# KiCad board pcb-hotswap.kicad_pcb
title: Synth Labs 060 Hotswap RGB PCB; date: 2021-09-10; rev: 1.0; company: 0xCB; note: Conor Burns
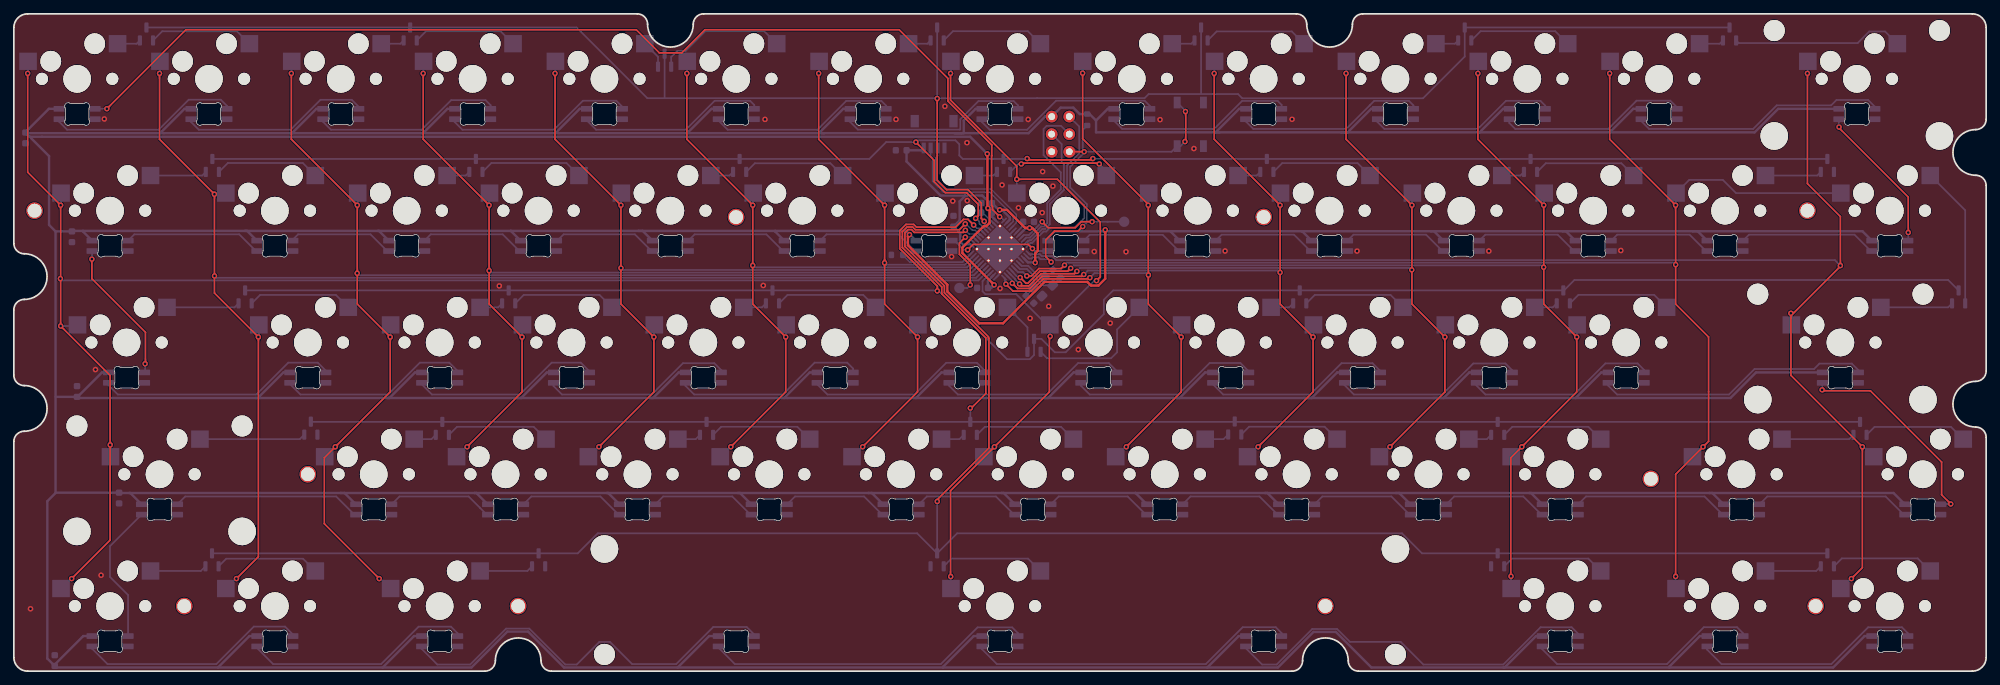
[diagram p0: board, top side]
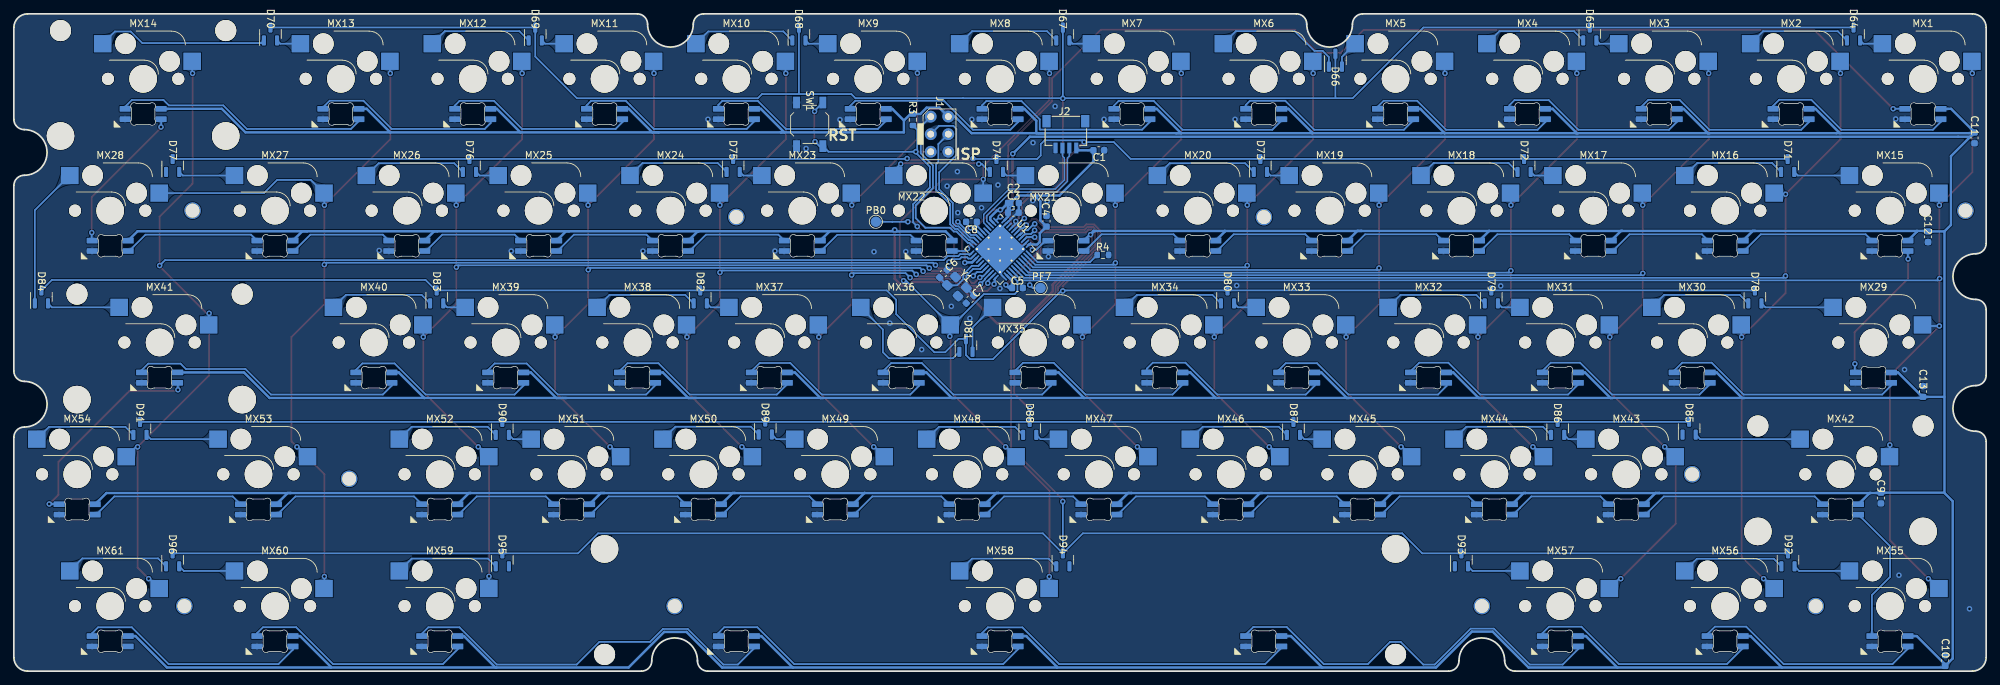
[diagram p1: board, bottom side, seen from below]

Outline 285 x 95 mm; copper layers: Top, Bottom. Coordinates in mm from the lower left corner of the outline.
Outline path: 0,93 0,61.83 arc(0.44,60.76) 1.5,60.33 arc(4.8,57.03) 1.5,53.73 arc(0.44,53.29) 0,52.23 0,42.78 arc(0.44,41.71) 1.5,41.28 arc(4.8,37.97) 1.5,34.68 arc(0.44,34.24) 0,33.18 0,2 arc(0.59,0.59) 2,0 68.08,0 arc(69.14,0.44) 69.58,1.5 arc(72.88,4.8) 76.18,1.5 arc(76.62,0.44) 77.68,0 184.72,0 arc(185.78,0.44) 186.22,1.5 arc(189.52,4.8) 192.82,1.5 arc(193.26,0.44) 194.32,0 283,0 arc(284.41,0.59) 285,2 285,33.78 arc(284.56,34.84) 283.5,35.28 arc(280.2,38.58) 283.5,41.88 arc(284.56,42.32) 285,43.38 285,70.17 arc(284.56,71.23) 283.5,71.67 arc(280.2,74.97) 283.5,78.27 arc(284.56,78.71) 285,79.77 285,93 arc(284.41,94.41) 283,95 194.93,95 arc(193.86,94.56) 193.43,93.5 arc(190.12,90.2) 186.82,93.5 arc(186.39,94.56) 185.32,95 99.67,95 arc(98.61,94.56) 98.17,93.5 arc(94.88,90.2) 91.58,93.5 arc(91.14,94.56) 90.08,95 2,95 arc(0.59,94.41) 0,93
Stack: Top 0.035mm / dielectric 1.51mm FR4 er 4.5 / Bottom 0.035mm

## Placement (name value [footprint] x y rotation side)
C1  1u  [C_0603_1608Metric]  128.22 75.28 0 bottom
C2  100n  [C_0603_1608Metric]  140.56 67.66 0 bottom
C3  100n  [C_0603_1608Metric]  140.57 66.27 0 bottom
C4  100n  [C_0603_1608Metric]  135.78 65.03 270 bottom
C5  100n  [C_0603_1608Metric]  139.98 55.38 0 bottom
C6  22p  [C_0603_1608Metric]  150.69 57.45 315 bottom
C7  22p  [C_0603_1608Metric]  146.83 53.73 135 bottom
C8  1u  [C_0603_1608Metric]  146.63 64.94 180 bottom
C9  100n  [C_0603_1608Metric]  15.21 25.02 270 bottom
C10  100n  [C_0603_1608Metric]  5.91 1.53 90 bottom
C11  100n  [C_0603_1608Metric]  1.68 77.07 270 bottom
C12  100n  [C_0603_1608Metric]  8.4 62.78 270 bottom
C13  100n  [C_0603_1608Metric]  9.13 40.42 90 bottom
D1  SK6812MINI-E  [MX_SK6812MINI-E]  9.14 85.6 0 top
D2  SK6812MINI-E  [MX_SK6812MINI-E]  28.19 85.6 0 top
D3  SK6812MINI-E  [MX_SK6812MINI-E]  47.24 85.6 0 top
D4  SK6812MINI-E  [MX_SK6812MINI-E]  66.29 85.6 0 top
D5  SK6812MINI-E  [MX_SK6812MINI-E]  85.34 85.6 0 top
D6  SK6812MINI-E  [MX_SK6812MINI-E]  104.39 85.6 0 top
D7  SK6812MINI-E  [MX_SK6812MINI-E]  123.44 85.6 0 top
D8  SK6812MINI-E  [MX_SK6812MINI-E]  142.49 85.6 0 top
D9  SK6812MINI-E  [MX_SK6812MINI-E]  161.54 85.6 0 top
D10  SK6812MINI-E  [MX_SK6812MINI-E]  180.59 85.6 0 top
D11  SK6812MINI-E  [MX_SK6812MINI-E]  199.64 85.6 0 top
D12  SK6812MINI-E  [MX_SK6812MINI-E]  218.69 85.6 0 top
D13  SK6812MINI-E  [MX_SK6812MINI-E]  237.74 85.6 0 top
D14  SK6812MINI-E  [MX_SK6812MINI-E]  266.32 85.6 0 top
D15  SK6812MINI-E  [MX_SK6812MINI-E]  13.91 66.55 0 top
D16  SK6812MINI-E  [MX_SK6812MINI-E]  37.72 66.55 0 top
D17  SK6812MINI-E  [MX_SK6812MINI-E]  56.77 66.55 0 top
D18  SK6812MINI-E  [MX_SK6812MINI-E]  75.82 66.55 0 top
D19  SK6812MINI-E  [MX_SK6812MINI-E]  94.87 66.55 0 top
D20  SK6812MINI-E  [MX_SK6812MINI-E]  113.92 66.55 0 top
D21  SK6812MINI-E  [MX_SK6812MINI-E]  132.97 66.55 0 top
D22  SK6812MINI-E  [MX_SK6812MINI-E]  152.02 66.55 0 top
D23  SK6812MINI-E  [MX_SK6812MINI-E]  171.07 66.55 0 top
D24  SK6812MINI-E  [MX_SK6812MINI-E]  190.12 66.55 0 top
D25  SK6812MINI-E  [MX_SK6812MINI-E]  209.17 66.55 0 top
D26  SK6812MINI-E  [MX_SK6812MINI-E]  228.22 66.55 0 top
D27  SK6812MINI-E  [MX_SK6812MINI-E]  247.27 66.55 0 top
D28  SK6812MINI-E  [MX_SK6812MINI-E]  271.08 66.55 0 top
D29  SK6812MINI-E  [MX_SK6812MINI-E]  16.29 47.5 0 top
D30  SK6812MINI-E  [MX_SK6812MINI-E]  42.48 47.5 0 top
D31  SK6812MINI-E  [MX_SK6812MINI-E]  61.53 47.5 0 top
D32  SK6812MINI-E  [MX_SK6812MINI-E]  80.58 47.5 0 top
D33  SK6812MINI-E  [MX_SK6812MINI-E]  99.63 47.5 0 top
D34  SK6812MINI-E  [MX_SK6812MINI-E]  118.68 47.5 0 top
D35  SK6812MINI-E  [MX_SK6812MINI-E]  137.73 47.5 0 top
D36  SK6812MINI-E  [MX_SK6812MINI-E]  156.78 47.5 0 top
D37  SK6812MINI-E  [MX_SK6812MINI-E]  175.83 47.5 0 top
D38  SK6812MINI-E  [MX_SK6812MINI-E]  194.88 47.5 0 top
D39  SK6812MINI-E  [MX_SK6812MINI-E]  213.93 47.5 0 top
D40  SK6812MINI-E  [MX_SK6812MINI-E]  232.98 47.5 0 top
D41  SK6812MINI-E  [MX_SK6812MINI-E]  263.94 47.5 0 top
D42  SK6812MINI-E  [MX_SK6812MINI-E]  21.05 28.45 0 top
D43  SK6812MINI-E  [MX_SK6812MINI-E]  52.01 28.45 0 top
D44  SK6812MINI-E  [MX_SK6812MINI-E]  71.06 28.45 0 top
D45  SK6812MINI-E  [MX_SK6812MINI-E]  90.11 28.45 0 top
D46  SK6812MINI-E  [MX_SK6812MINI-E]  109.16 28.45 0 top
D47  SK6812MINI-E  [MX_SK6812MINI-E]  128.21 28.45 0 top
D48  SK6812MINI-E  [MX_SK6812MINI-E]  147.26 28.45 0 top
D49  SK6812MINI-E  [MX_SK6812MINI-E]  166.31 28.45 0 top
D50  SK6812MINI-E  [MX_SK6812MINI-E]  185.36 28.45 0 top
D51  SK6812MINI-E  [MX_SK6812MINI-E]  204.41 28.45 0 top
D52  SK6812MINI-E  [MX_SK6812MINI-E]  223.46 28.45 0 top
D53  SK6812MINI-E  [MX_SK6812MINI-E]  249.65 28.45 0 top
D54  SK6812MINI-E  [MX_SK6812MINI-E]  275.84 28.45 0 top
D55  SK6812MINI-E  [MX_SK6812MINI-E]  13.91 9.4 0 top
D56  SK6812MINI-E  [MX_SK6812MINI-E]  37.72 9.4 0 top
D57  SK6812MINI-E  [MX_SK6812MINI-E]  61.53 9.4 0 top
D58  SK6812MINI-E  [MX_SK6812MINI-E]  104.39 9.4 0 top
D59  SK6812MINI-E  [MX_SK6812MINI-E]  142.49 9.4 0 top
D60  SK6812MINI-E  [MX_SK6812MINI-E]  180.59 9.4 0 top
D61  SK6812MINI-E  [MX_SK6812MINI-E]  223.46 9.4 0 top
D62  SK6812MINI-E  [MX_SK6812MINI-E]  247.27 9.4 0 top
D63  SK6812MINI-E  [MX_SK6812MINI-E]  271.08 9.4 0 top
D64  BAV70  [SOT-23]  19.16 92.09 90 bottom
D65  BAV70  [SOT-23]  57.27 92.09 90 bottom
D66  BAV70  [SOT-23]  94.03 88.3 90 bottom
D67  BAV70  [SOT-23]  133.42 92.09 90 bottom
D68  BAV70  [SOT-23]  171.56 92.09 90 bottom
D69  BAV70  [SOT-23]  209.65 92.09 90 bottom
D70  BAV70  [SOT-23]  247.92 92.09 90 bottom
D71  BAV70  [SOT-23]  28.68 73.09 90 bottom
D72  BAV70  [SOT-23]  66.77 73.09 90 bottom
D73  BAV70  [SOT-23]  104.88 73.09 90 bottom
D74  BAV70  [SOT-23]  143.01 73.09 90 bottom
D75  BAV70  [SOT-23]  181.06 73.09 90 bottom
D76  BAV70  [SOT-23]  219.16 73.09 90 bottom
D77  BAV70  [SOT-23]  262.05 73.09 90 bottom
D78  BAV70  [SOT-23]  33.42 54.09 90 bottom
D79  BAV70  [SOT-23]  71.5 54.09 90 bottom
D80  BAV70  [SOT-23]  109.62 54.09 90 bottom
D81  BAV70  [SOT-23]  147.42 47.09 90 bottom
D82  BAV70  [SOT-23]  185.81 54.09 90 bottom
D83  BAV70  [SOT-23]  223.9 54.09 90 bottom
D84  BAV70  [SOT-23]  281.02 54.09 90 bottom
D85  BAV70  [SOT-23]  42.92 35.12 90 bottom
D86  BAV70  [SOT-23]  61.92 35.09 90 bottom
D87  BAV70  [SOT-23]  100.1 35.09 90 bottom
D88  BAV70  [SOT-23]  138.21 35.09 90 bottom
D89  BAV70  [SOT-23]  176.42 35.14 90 bottom
D90  BAV70  [SOT-23]  214.42 35.09 90 bottom
D91  BAV70  [SOT-23]  266.77 35.09 90 bottom
D92  BAV70  [SOT-23]  28.64 16.09 90 bottom
D93  BAV70  [SOT-23]  75.83 16.09 90 bottom
D94  BAV70  [SOT-23]  133.42 16.09 90 bottom
D95  BAV70  [SOT-23]  214.41 16.09 90 bottom
D96  BAV70  [SOT-23]  262.06 16.09 90 bottom
G***  LOGO  [oshw]  180.61 9.34 0 top
G***#2  Synth Labs  [SL]  98.51 9.37 0 top
G***#3  -  [0xCB]  156.88 9.32 0 top
G***#4  LOGO  [oshwa]  194.84 9.33 0 top
J1  AVR-ISP-6  [AVR_PROG_2.54_THT]  151.24 77.61 270 bottom
J2  Conn_01x04  [JST-SR-4]  132.98 80.39 0 bottom
MX1  MX  [SW_Hotswap_Kailh_1.00u]  9.14 85.6 0 top
MX2  MX  [SW_Hotswap_Kailh_1.00u]  28.19 85.6 0 top
MX3  MX  [SW_Hotswap_Kailh_1.00u]  47.24 85.6 0 top
MX4  MX  [SW_Hotswap_Kailh_1.00u]  66.29 85.6 0 top
MX5  MX  [SW_Hotswap_Kailh_1.00u]  85.34 85.6 0 top
MX6  MX  [SW_Hotswap_Kailh_1.00u]  104.39 85.6 0 top
MX7  MX  [SW_Hotswap_Kailh_1.00u]  123.44 85.6 0 top
MX8  MX  [SW_Hotswap_Kailh_1.00u]  142.49 85.6 0 top
MX9  MX  [SW_Hotswap_Kailh_1.00u]  161.54 85.6 0 top
MX10  MX  [SW_Hotswap_Kailh_1.00u]  180.59 85.6 0 top
MX11  MX  [SW_Hotswap_Kailh_1.00u]  199.64 85.6 0 top
MX12  MX  [SW_Hotswap_Kailh_1.00u]  218.69 85.6 0 top
MX13  MX  [SW_Hotswap_Kailh_1.00u]  237.74 85.6 0 top
MX14  MX  [SW_Hotswap_Kailh_2.00u]  266.32 85.6 0 top
MX15  MX  [SW_Hotswap_Kailh_1.50u]  13.91 66.55 0 top
MX16  MX  [SW_Hotswap_Kailh_1.00u]  37.72 66.55 0 top
MX17  MX  [SW_Hotswap_Kailh_1.00u]  56.77 66.55 0 top
MX18  MX  [SW_Hotswap_Kailh_1.00u]  75.82 66.55 0 top
MX19  MX  [SW_Hotswap_Kailh_1.00u]  94.87 66.55 0 top
MX20  MX  [SW_Hotswap_Kailh_1.00u]  113.92 66.55 0 top
MX21  MX  [SW_Hotswap_Kailh_1.00u]  132.97 66.55 0 top
MX22  MX  [SW_Hotswap_Kailh_1.00u]  152.02 66.55 0 top
MX23  MX  [SW_Hotswap_Kailh_1.00u]  171.07 66.55 0 top
MX24  MX  [SW_Hotswap_Kailh_1.00u]  190.12 66.55 0 top
MX25  MX  [SW_Hotswap_Kailh_1.00u]  209.17 66.55 0 top
MX26  MX  [SW_Hotswap_Kailh_1.00u]  228.22 66.55 0 top
MX27  MX  [SW_Hotswap_Kailh_1.00u]  247.27 66.55 0 top
MX28  MX  [SW_Hotswap_Kailh_1.50u]  271.08 66.55 0 top
MX29  MX  [SW_Hotswap_Kailh_1.75u]  16.29 47.5 0 top
MX30  MX  [SW_Hotswap_Kailh_1.00u]  42.48 47.5 0 top
MX31  MX  [SW_Hotswap_Kailh_1.00u]  61.53 47.5 0 top
MX32  MX  [SW_Hotswap_Kailh_1.00u]  80.58 47.5 0 top
MX33  MX  [SW_Hotswap_Kailh_1.00u]  99.63 47.5 0 top
MX34  MX  [SW_Hotswap_Kailh_1.00u]  118.68 47.5 0 top
MX35  MX  [SW_Hotswap_Kailh_1.00u]  137.73 47.5 0 top
MX36  MX  [SW_Hotswap_Kailh_1.00u]  156.78 47.5 0 top
MX37  MX  [SW_Hotswap_Kailh_1.00u]  175.83 47.5 0 top
MX38  MX  [SW_Hotswap_Kailh_1.00u]  194.88 47.5 0 top
MX39  MX  [SW_Hotswap_Kailh_1.00u]  213.93 47.5 0 top
MX40  MX  [SW_Hotswap_Kailh_1.00u]  232.98 47.5 0 top
MX41  MX  [SW_Hotswap_Kailh_2.25u]  263.94 47.5 0 top
MX42  MX  [SW_Hotswap_Kailh_2.25u]  21.05 28.45 0 top
MX43  MX  [SW_Hotswap_Kailh_1.00u]  52.01 28.45 0 top
MX44  MX  [SW_Hotswap_Kailh_1.00u]  71.06 28.45 0 top
MX45  MX  [SW_Hotswap_Kailh_1.00u]  90.11 28.45 0 top
MX46  MX  [SW_Hotswap_Kailh_1.00u]  109.16 28.45 0 top
MX47  MX  [SW_Hotswap_Kailh_1.00u]  128.21 28.45 0 top
MX48  MX  [SW_Hotswap_Kailh_1.00u]  147.26 28.45 0 top
MX49  MX  [SW_Hotswap_Kailh_1.00u]  166.31 28.45 0 top
MX50  MX  [SW_Hotswap_Kailh_1.00u]  185.36 28.45 0 top
MX51  MX  [SW_Hotswap_Kailh_1.00u]  204.41 28.45 0 top
MX52  MX  [SW_Hotswap_Kailh_1.00u]  223.46 28.45 0 top
MX53  MX  [SW_Hotswap_Kailh_1.75u]  249.65 28.45 0 top
MX54  MX  [SW_Hotswap_Kailh_1.00u]  275.84 28.45 0 top
MX55  MX  [SW_Hotswap_Kailh_1.50u]  13.91 9.4 0 top
MX56  MX  [SW_Hotswap_Kailh_1.00u]  37.72 9.4 0 top
MX57  MX  [SW_Hotswap_Kailh_1.50u]  61.53 9.4 0 top
MX58  MX  [SW_Hotswap_Kailh_7.00u]  142.49 9.4 0 top
MX59  MX  [SW_Hotswap_Kailh_1.50u]  223.46 9.4 0 top
MX60  MX  [SW_Hotswap_Kailh_1.00u]  247.27 9.4 0 top
MX61  MX  [SW_Hotswap_Kailh_1.50u]  271.08 9.4 0 top
NOREF  -  [unnamed]  72.87 9.41 0 top
NOREF#2  -  [unnamed]  42.48 28.46 0 top
NOREF#3  -  [unnamed]  260.36 9.41 0 top
NOREF#4  -  [unnamed]  236.55 27.8 0 top
NOREF#5  -  [unnamed]  259.17 66.56 0 top
NOREF#6  -  [unnamed]  24.63 9.4 0 top
NOREF#7  -  [unnamed]  2.99 66.55 0 top
NOREF#8  -  [unnamed]  104.37 65.62 0 top
NOREF#9  -  [unnamed]  180.6 65.64 0 top
NOREF#10  -  [unnamed]  189.51 9.41 0 top
PB0  TestPoint  [TestPoint_Pad_D1.5mm]  160.44 64.95 180 bottom
PF7  TestPoint  [TestPoint_Pad_D1.5mm]  136.63 55.38 180 bottom
R3  10k  [R_0603_1608Metric]  155.09 79.69 90 bottom
R4  10k  [R_0603_1608Metric]  127.63 60.16 0 bottom
REF**  -  [Stabilizer_Cherry_MX_7u]  142.49 9.4 180 top
REF**#2  -  [Stabilizer_Cherry_MX_2u]  263.94 47.5 0 top
REF**#3  -  [Stabilizer_Cherry_MX_2u]  21.05 28.45 0 top
REF**#4  -  [Stabilizer_Cherry_MX_2u]  266.32 85.6 0 top
SW1  SW_Push  [SW_SPST_TL3342]  170 79.03 90 bottom
U1  ATMEGA32U4  [QFN-44-1EP_7x7mm_P0.5mm_EP5.2x5.2mm_ThermalVias]  142.49 61 225 bottom
Y1  16MHz  [Crystal_SMD_3225-4Pin_3.2x2.5mm]  148.74 55.59 225 bottom

## Library data of the parts
C1-C8 = -: Description: Unpolarized capacitor, small symbol
C9-C13 = -: Description: Unpolarized capacitor
D1-D63 = -: Description: SK6812MINI-E RGB LED; Field4: 1
D64-D96 = -: Description: Dual 100V 215mA high-speed switching diodes, common cathode, SOT-23
J1 = -: Description: Atmel 6-pin ISP connector
J2 = -: Description: Generic connector, single row, 01x04, script generated (kicad-library-utils/schlib/autogen/connector/)
PB0 PF7 = -: Description: test point
R3 R4 = -: Description: Resistor
REF** REF**#2-REF**#4 = -: Field4: REF**
SW1 = -: Description: Push button switch, generic, two pins
Y1 = -: Description: Four pin crystal, GND on pins 2 and 4, small symbol

## Footprints (pads in the part's own frame, mm; a bottom-side part is the same pattern mirrored in y, then rotated)
AVR_PROG_2.54_THT
  round 1.7 hole 1: 1(-2.54,-1.27) 2(-2.54,1.27) 3(0,-1.27) 4(0,1.27) 5(2.54,-1.27) 6(2.54,1.27)
C_0603_1608Metric
  rrect 0.9x0.95 smd: 1(-0.775,0) 2(0.775,0)
Crystal_SMD_3225-4Pin_3.2x2.5mm
  rrect 1.4x1.2 smd: 1(-1.1,-0.85) 2(1.1,-0.85) 3(1.1,0.85) 4(-1.1,0.85)
JST-SR-4
  rect 1.2x1.8 smd: (-2.8,0.9) (2.8,0.9)
  rect 0.6x1.55 smd: 1(-1.5,4.775) 2(-0.5,4.775) 3(0.5,4.775) 4(1.5,4.775)
MX_SK6812MINI-E
  rrect 1.6x0.82 smd far side: 1(-2.6,-4.33) 2(-2.6,-5.83) 3(2.6,-5.83) 4(2.6,-4.33)
QFN-44-1EP_7x7mm_P0.5mm_EP5.2x5.2mm_ThermalVias
  rrect 1.007x1.007 smd: (-1.762,-1.762) (-1.762,-0.588) (-1.762,0.588) (-1.762,1.762) (-0.588,-1.762) (-0.588,-0.588) (-0.588,0.588) (-0.588,1.762) (0.588,-1.762) (0.588,-0.588) (0.588,0.588) (0.588,1.762) (1.762,-1.762) (1.762,-0.588) (1.762,0.588) (1.762,1.762)
  rrect 1.075x0.25 smd: 1(-3.337,2.5) 2(-3.337,2) 3(-3.337,1.5) 4(-3.337,1) 5(-3.337,0.5) 6(-3.337,0) 7(-3.337,-0.5) 8(-3.337,-1) 9(-3.337,-1.5) 10(-3.337,-2) 11(-3.337,-2.5) 23(3.337,-2.5) 24(3.337,-2) 25(3.337,-1.5) 26(3.337,-1) 27(3.337,-0.5) 28(3.337,0) 29(3.337,0.5) 30(3.337,1) 31(3.337,1.5) 32(3.337,2) 33(3.337,2.5)
  rrect 0.25x1.075 smd: 12(-2.5,-3.337) 13(-2,-3.337) 14(-1.5,-3.337) 15(-1,-3.337) 16(-0.5,-3.337) 17(0,-3.337) 18(0.5,-3.337) 19(1,-3.337) 20(1.5,-3.337) 21(2,-3.337) 22(2.5,-3.337) 34(2.5,3.337) 35(2,3.337) 36(1.5,3.337) 37(1,3.337) 38(0.5,3.337) 39(0,3.337) 40(-0.5,3.337) 41(-1,3.337) 42(-1.5,3.337) 43(-2,3.337) 44(-2.5,3.337)
  round 0.5 hole 0.3: 45(-2.35,-2.35) 45(-2.35,0) 45(-2.35,2.35) 45(-1.175,-1.175) 45(-1.175,1.175) 45(0,-2.35) 45(0,0) 45(0,2.35) 45(1.175,-1.175) 45(1.175,1.175) 45(2.35,-2.35) 45(2.35,0) 45(2.35,2.35)
  rect 5.2x5.2 smd: 45(0,0) 45(0,0)
R_0603_1608Metric
  rrect 0.8x0.95 smd: 1(-0.825,0) 2(0.825,0)
SOT-23
  rrect 1.475x0.6 smd: 1(-0.938,0.95) 2(-0.938,-0.95) 3(0.938,0)
Stabilizer_Cherry_MX_2u
  round 3.048 hole 3.048 unplated: (-11.938,6.985) (11.938,6.985)
  round 3.988 hole 3.988 unplated: (-11.938,-8.255) (11.938,-8.255)
Stabilizer_Cherry_MX_7u
  round 3.048 hole 3.048 unplated: (-57.15,6.985) (57.15,6.985)
  round 3.988 hole 3.988 unplated: (-57.15,-8.255) (57.15,-8.255)
SW_Hotswap_Kailh_1.00u
  round 1.75 hole 1.75 unplated: (-5.08,0) (5.08,0)
  round 3 hole 3 unplated: (-3.81,2.54) (2.54,5.08)
  round 4 hole 4 unplated: (0,0)
  rect 2.55x2.5 smd far side: 1(-7.085,2.54) 2(5.842,5.08)
SW_Hotswap_Kailh_1.50u
  round 1.75 hole 1.75 unplated: (-5.08,0) (5.08,0)
  round 3 hole 3 unplated: (-3.81,2.54) (2.54,5.08)
  round 4 hole 4 unplated: (0,0)
  rect 2.55x2.5 smd far side: 1(-7.085,2.54) 2(5.842,5.08)
SW_Hotswap_Kailh_1.75u
  round 1.75 hole 1.75 unplated: (-5.08,0) (5.08,0)
  round 3 hole 3 unplated: (-3.81,2.54) (2.54,5.08)
  round 4 hole 4 unplated: (0,0)
  rect 2.55x2.5 smd far side: 1(-7.085,2.54) 2(5.842,5.08)
SW_Hotswap_Kailh_2.00u
  round 1.75 hole 1.75 unplated: (-5.08,0) (5.08,0)
  round 3 hole 3 unplated: (-3.81,2.54) (2.54,5.08)
  round 4 hole 4 unplated: (0,0)
  rect 2.55x2.5 smd far side: 1(-7.085,2.54) 2(5.842,5.08)
SW_Hotswap_Kailh_2.25u
  round 1.75 hole 1.75 unplated: (-5.08,0) (5.08,0)
  round 3 hole 3 unplated: (-3.81,2.54) (2.54,5.08)
  round 4 hole 4 unplated: (0,0)
  rect 2.55x2.5 smd far side: 1(-7.085,2.54) 2(5.842,5.08)
SW_Hotswap_Kailh_7.00u
  round 1.75 hole 1.75 unplated: (-5.08,0) (5.08,0)
  round 3 hole 3 unplated: (-3.81,2.54) (2.54,5.08)
  round 4 hole 4 unplated: (0,0)
  rect 2.55x2.5 smd far side: 1(-7.085,2.54) 2(5.842,5.08)
SW_SPST_TL3342
  rect 1.7x1 smd: 1(-3.15,1.9) 1(3.15,1.9) 2(-3.15,-1.9) 2(3.15,-1.9)
TestPoint_Pad_D1.5mm
  round 1.5 smd: 1(0,0)
unnamed
  round 2.4 hole 2 unplated: (0,0)

## Nets
GND: C1.1 C2.1 C3.1 C4.1 C5.1 C6.1 C7.1 C8.1 C9.2 C10.2 C11.2 C12.2 C13.2 D1.3 D2.3 D3.3 D4.3 D5.3 D6.3 D7.3 D8.3 D9.3 D10.3 D11.3 D12.3 D13.3 D14.3 D15.3 D16.3 D17.3 D18.3 D19.3 D20.3 D21.3 D22.3 D23.3 D24.3 D25.3 D26.3 D27.3 D28.3 D29.3 D30.3 D31.3 D32.3 D33.3 D34.3 D35.3 D36.3 D37.3 D38.3 D39.3 D40.3 D41.3 D42.3 D43.3 D44.3 D45.3 D46.3 D47.3 D48.3 D49.3 D50.3 D51.3 D52.3 D53.3 D54.3 D55.3 D56.3 D57.3 D58.3 D59.3 D60.3 D61.3 D62.3 D63.3 J1.6 J2.4 R4.1 SW1.1 U1.5 U1.15 U1.23 U1.35 U1.43 U1.45 Y1.2 Y1.4
VCC: C1.2 C2.2 C3.2 C4.2 C5.2 C9.1 C10.1 C11.1 C12.1 C13.1 D1.1 D2.1 D3.1 D4.1 D5.1 D6.1 D7.1 D8.1 D9.1 D10.1 D11.1 D12.1 D13.1 D14.1 D15.1 D16.1 D17.1 D18.1 D19.1 D20.1 D21.1 D22.1 D23.1 D24.1 D25.1 D26.1 D27.1 D28.1 D29.1 D30.1 D31.1 D32.1 D33.1 D34.1 D35.1 D36.1 D37.1 D38.1 D39.1 D40.1 D41.1 D42.1 D43.1 D44.1 D45.1 D46.1 D47.1 D48.1 D49.1 D50.1 D51.1 D52.1 D53.1 D54.1 D55.1 D56.1 D57.1 D58.1 D59.1 D60.1 D61.1 D62.1 D63.1 J1.2 J2.1 R3.2 U1.2 U1.7 U1.14 U1.24 U1.34 U1.44
/D+: J2.3 U1.4
/D-: J2.2 U1.3
/MISO: J1.1 U1.11
/MOSI: J1.4 U1.10
/RGB: D1.4 U1.1
/SCK: J1.3 U1.9
/XTAL1: C6.2 U1.16 Y1.1
/XTAL2: C7.2 U1.17 Y1.3
C0: MX1.1 MX15.1 MX29.1 MX42.1 MX55.1 U1.26
C1: MX2.1 MX16.1 MX30.1 MX56.1 U1.27
C2: MX3.1 MX17.1 MX31.1 MX43.1 MX57.1 U1.28
C3: MX4.1 MX18.1 MX32.1 MX44.1 U1.29
C4: MX5.1 MX19.1 MX33.1 MX45.1 U1.30
C5: MX6.1 MX20.1 MX34.1 MX46.1 U1.31
C6: MX7.1 MX21.1 MX35.1 MX47.1 U1.32
C7: MX8.1 MX22.1 MX36.1 MX48.1 MX58.1 U1.25
C8: MX9.1 MX23.1 MX37.1 MX49.1 U1.22
C9: MX10.1 MX24.1 MX38.1 MX50.1 U1.21
C10: MX11.1 MX25.1 MX39.1 MX51.1 U1.20
C11: MX12.1 MX26.1 MX40.1 MX52.1 MX59.1 U1.19
C12: MX13.1 MX27.1 MX28.1 MX53.1 MX60.1 U1.18
C13: MX14.1 MX41.1 MX54.1 MX61.1 U1.12
R0: D64.3 D65.3 D66.3 D67.3 D68.3 D69.3 D70.3 U1.41
R1: D71.3 D72.3 D73.3 D74.3 D75.3 D76.3 D77.3 U1.40
R2: D78.3 D79.3 D80.3 D81.3 D82.3 D83.3 D84.3 U1.39
R3: D85.3 D86.3 D87.3 D88.3 D89.3 D90.3 D91.3 U1.38
R4: D92.3 D93.3 D94.3 D95.3 D96.3 U1.37
RST: J1.5 R3.1 SW1.2 U1.13
Net-(D1-DOUT): D1.2 D2.4
Net-(D2-DOUT): D2.2 D3.4
Net-(D3-DOUT): D3.2 D4.4
Net-(D4-DOUT): D4.2 D5.4
Net-(D5-DOUT): D5.2 D6.4
Net-(D6-DOUT): D6.2 D7.4
Net-(D7-DOUT): D7.2 D8.4
Net-(D8-DOUT): D8.2 D9.4
Net-(D10-DIN): D9.2 D10.4
Net-(D10-DOUT): D10.2 D11.4
Net-(D11-DOUT): D11.2 D12.4
Net-(D12-DOUT): D12.2 D13.4
Net-(D13-DOUT): D13.2 D14.4
Net-(D14-DOUT): D14.2 D28.4
Net-(D15-DIN): D15.4 D16.2
Net-(D15-DOUT): D15.2 D29.4
Net-(D16-DIN): D16.4 D17.2
Net-(D17-DIN): D17.4 D18.2
Net-(D18-DIN): D18.4 D19.2
Net-(D19-DIN): D19.4 D20.2
Net-(D20-DIN): D20.4 D21.2
Net-(D21-DIN): D21.4 D22.2
Net-(D22-DIN): D22.4 D23.2
Net-(D23-DIN): D23.4 D24.2
Net-(D24-DIN): D24.4 D25.2
Net-(D25-DIN): D25.4 D26.2
Net-(D26-DIN): D26.4 D27.2
Net-(D27-DIN): D27.4 D28.2
Net-(D29-DOUT): D29.2 D30.4
Net-(D30-DOUT): D30.2 D31.4
Net-(D31-DOUT): D31.2 D32.4
Net-(D32-DOUT): D32.2 D33.4
Net-(D33-DOUT): D33.2 D34.4
Net-(D34-DOUT): D34.2 D35.4
Net-(D35-DOUT): D35.2 D36.4
Net-(D36-DOUT): D36.2 D37.4
Net-(D37-DOUT): D37.2 D38.4
Net-(D38-DOUT): D38.2 D39.4
Net-(D39-DOUT): D39.2 D40.4
Net-(D40-DOUT): D40.2 D41.4
Net-(D41-DOUT): D41.2 D54.4
Net-(D42-DIN): D42.4 D43.2
Net-(D42-DOUT): D42.2 D55.4
Net-(D43-DIN): D43.4 D44.2
Net-(D44-DIN): D44.4 D45.2
Net-(D45-DIN): D45.4 D46.2
Net-(D46-DIN): D46.4 D47.2
Net-(D47-DIN): D47.4 D48.2
Net-(D48-DIN): D48.4 D49.2
Net-(D49-DIN): D49.4 D50.2
Net-(D50-DIN): D50.4 D51.2
Net-(D51-DIN): D51.4 D52.2
Net-(D52-DIN): D52.4 D53.2
Net-(D53-DIN): D53.4 D54.2
Net-(D55-DOUT): D55.2 D56.4
Net-(D56-DOUT): D56.2 D57.4
Net-(D57-DOUT): D57.2 D58.4
Net-(D58-DOUT): D58.2 D59.4
Net-(D59-DOUT): D59.2 D60.4
Net-(D60-DOUT): D60.2 D61.4
Net-(D61-DOUT): D61.2 D62.4
Net-(D62-DOUT): D62.2 D63.4
Net-(D64-A1): D64.1 MX2.2
Net-(D64-A2): D64.2 MX1.2
Net-(D65-A1): D65.1 MX4.2
Net-(D65-A2): D65.2 MX3.2
Net-(D66-A1): D66.1 MX6.2
Net-(D66-A2): D66.2 MX5.2
Net-(D67-A1): D67.1 MX8.2
Net-(D67-A2): D67.2 MX7.2
Net-(D68-A1): D68.1 MX10.2
Net-(D68-A2): D68.2 MX9.2
Net-(D69-A1): D69.1 MX12.2
Net-(D69-A2): D69.2 MX11.2
Net-(D70-A1): D70.1 MX14.2
Net-(D70-A2): D70.2 MX13.2
Net-(D71-A1): D71.1 MX16.2
Net-(D71-A2): D71.2 MX15.2
Net-(D72-A1): D72.1 MX18.2
Net-(D72-A2): D72.2 MX17.2
Net-(D73-A1): D73.1 MX20.2
Net-(D73-A2): D73.2 MX19.2
Net-(D74-A1): D74.1 MX22.2
Net-(D74-A2): D74.2 MX21.2
Net-(D75-A1): D75.1 MX24.2
Net-(D75-A2): D75.2 MX23.2
Net-(D76-A1): D76.1 MX26.2
Net-(D76-A2): D76.2 MX25.2
Net-(D77-A2): D77.2 MX27.2
Net-(D78-A1): D78.1 MX30.2
Net-(D78-A2): D78.2 MX29.2
Net-(D79-A1): D79.1 MX32.2
Net-(D79-A2): D79.2 MX31.2
Net-(D80-A1): D80.1 MX34.2
Net-(D80-A2): D80.2 MX33.2
Net-(D81-A1): D81.1 MX36.2
Net-(D81-A2): D81.2 MX35.2
Net-(D82-A1): D82.1 MX38.2
Net-(D82-A2): D82.2 MX37.2
Net-(D83-A1): D83.1 MX40.2
Net-(D83-A2): D83.2 MX39.2
Net-(D84-A1): D84.1 MX28.2
Net-(D84-A2): D84.2 MX41.2
Net-(D85-A2): D85.2 MX42.2
Net-(D86-A1): D86.1 MX44.2
Net-(D86-A2): D86.2 MX43.2
Net-(D87-A1): D87.1 MX46.2
Net-(D87-A2): D87.2 MX45.2
Net-(D88-A1): D88.1 MX48.2
Net-(D88-A2): D88.2 MX47.2
Net-(D89-A1): D89.1 MX50.2
Net-(D89-A2): D89.2 MX49.2
Net-(D90-A1): D90.1 MX52.2
Net-(D90-A2): D90.2 MX51.2
Net-(D91-A1): D91.1 MX54.2
Net-(D91-A2): D91.2 MX53.2
Net-(D92-A1): D92.1 MX56.2
Net-(D92-A2): D92.2 MX55.2
Net-(D93-A2): D93.2 MX57.2
Net-(D94-A1): D94.1 MX58.2
Net-(D95-A1): D95.1 MX59.2
Net-(D96-A1): D96.1 MX61.2
Net-(D96-A2): D96.2 MX60.2
Net-(U1-PB0): PB0.1 U1.8
Net-(U1-PE2/~{HWB}): R4.2 U1.33
Net-(U1-PF7): PF7.1 U1.36
Net-(U1-UCap): C8.2 U1.6

Pads without a net: D63 2; D77 1; D85 1; D93 1; D94 2; D95 2; U1 42

## Via types
v1: diameter 0.8, hole 0.4, Top to Bottom, 158 vias
